# Altium PCB XMS0004.PcbDoc (part 5 of 5)
Units mm, origin at the board's own origin, x right, y up, seen from the top; angles counter-clockwise.
Board outline 160 x 130 mm, 4 copper layers (Layer 1 (Top), Layer 2 (GND), Layer 3 (PWR), Layer 4 (Bottom)), stack 1.564 mm thick; 490 components, 328 nets, 1713 pads, 922 vias.
Unrouted connection lines stored in the file: 5.
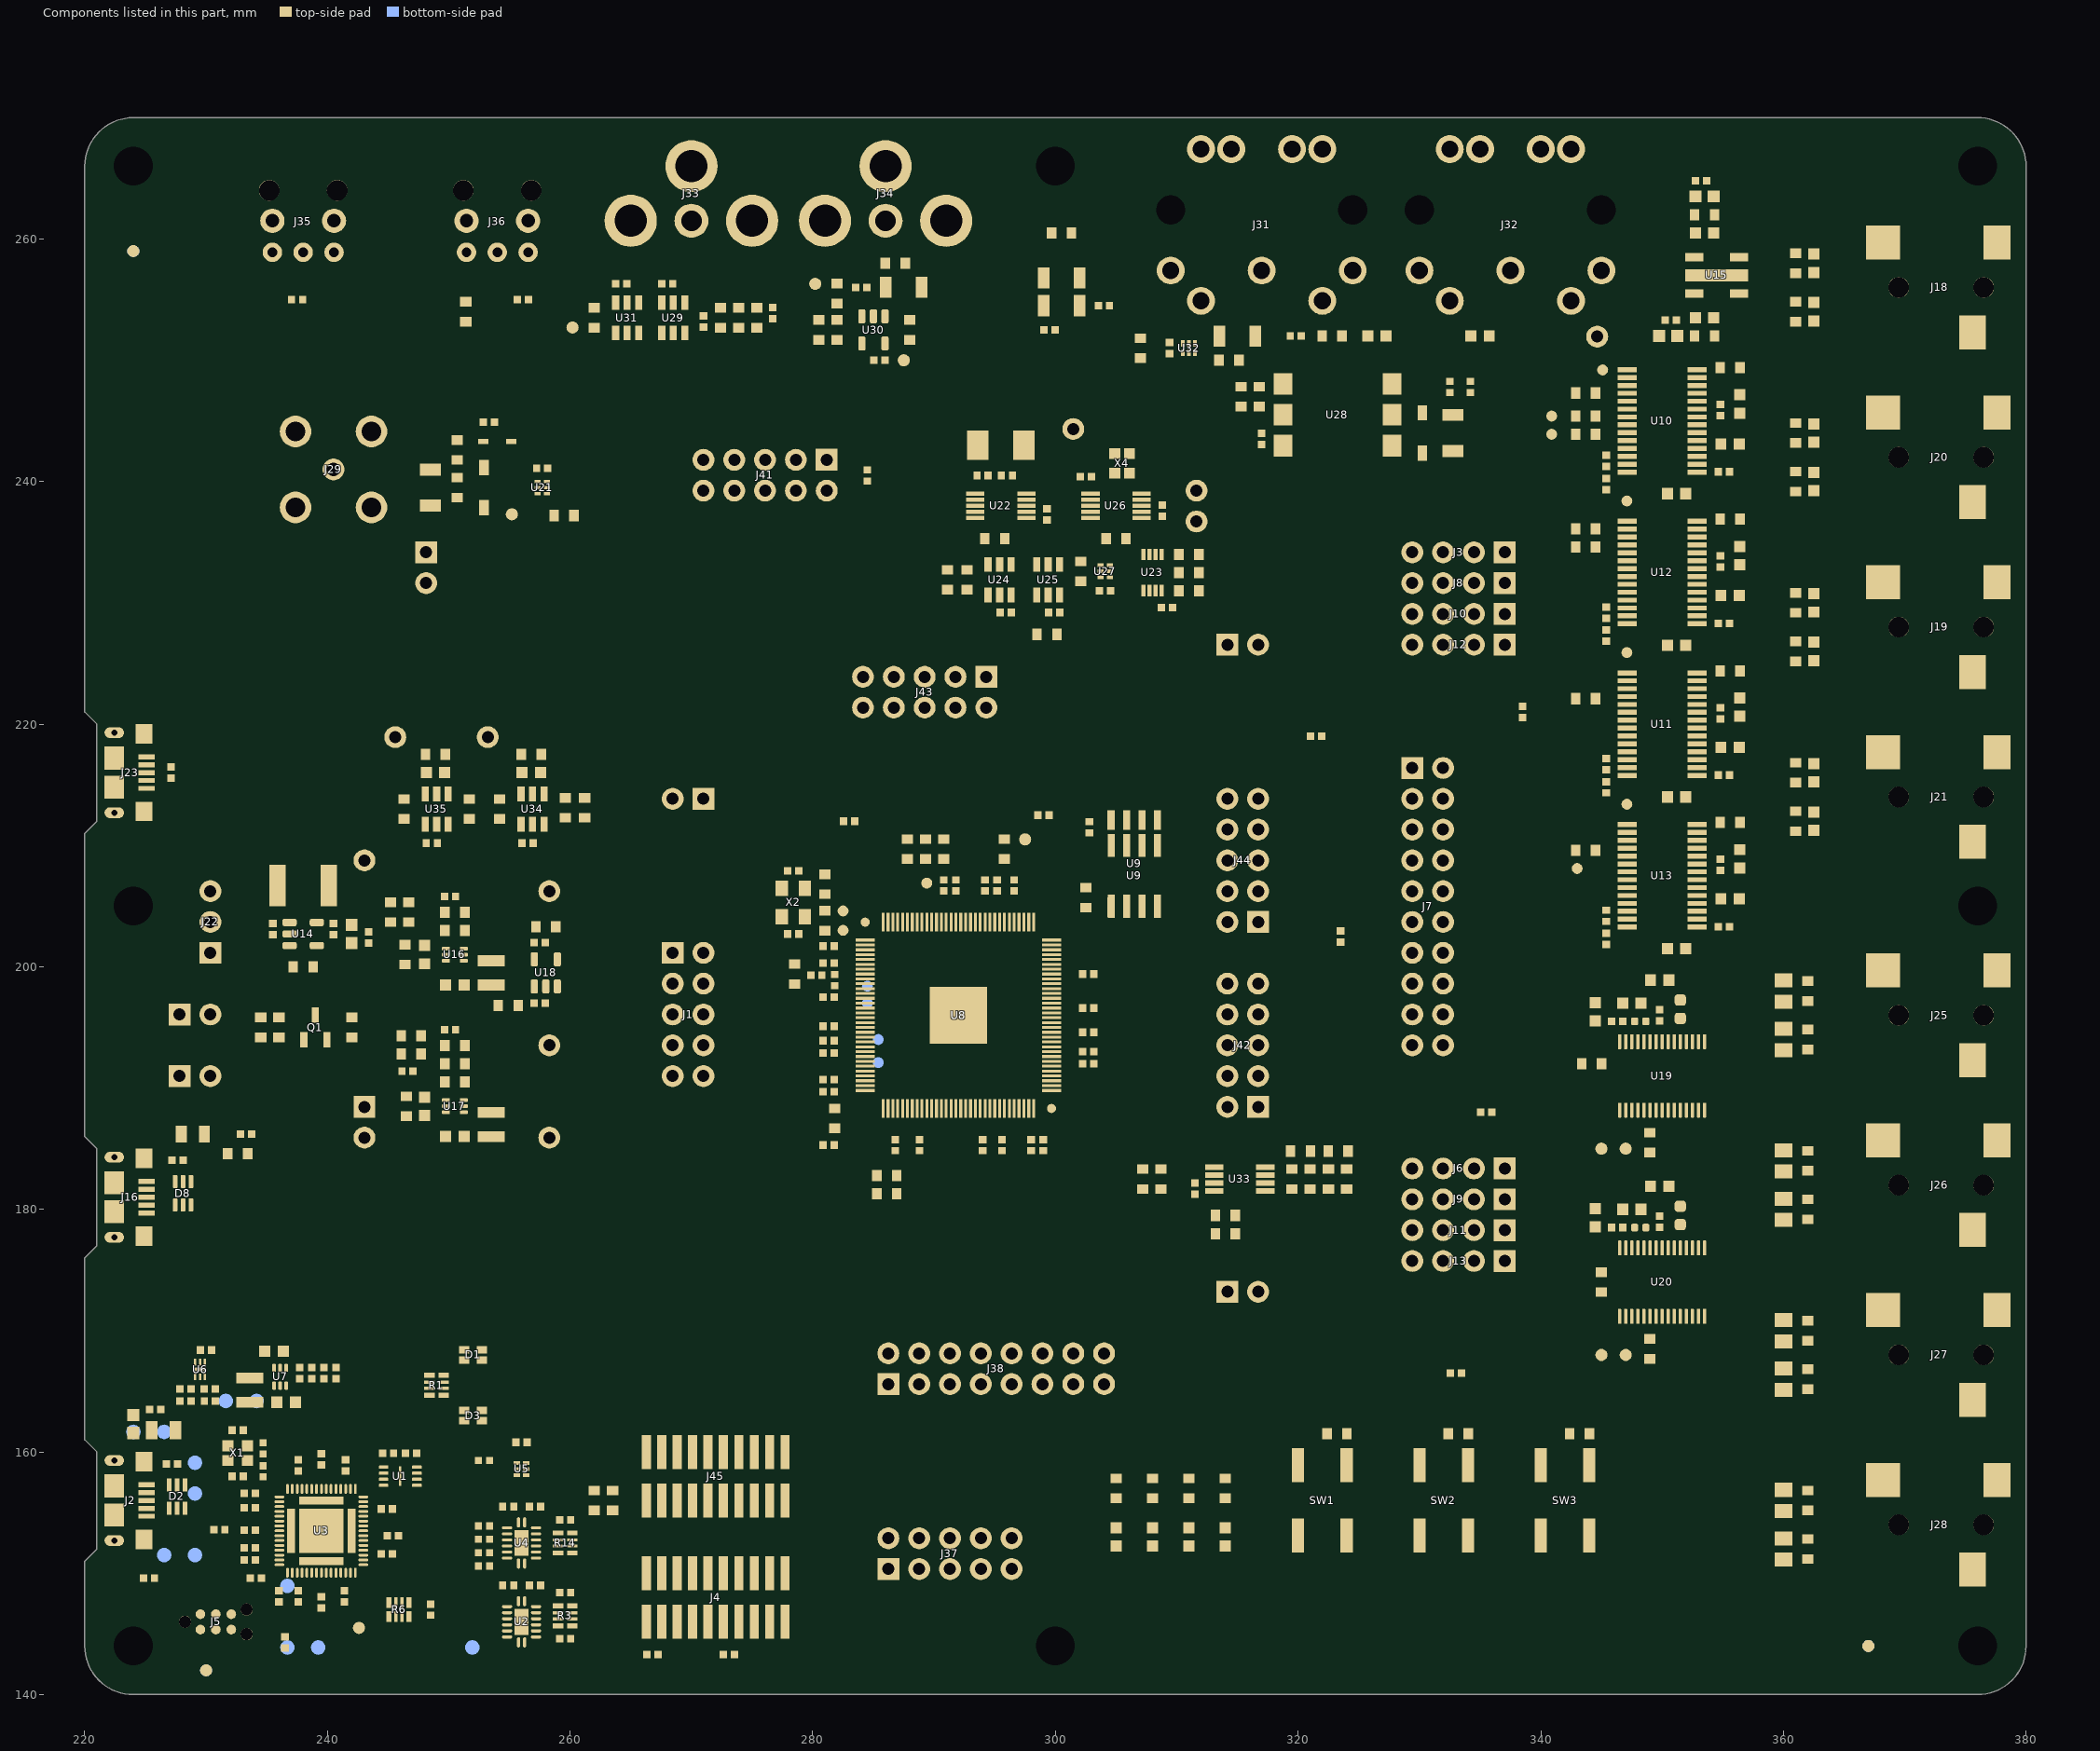
[diagram p7: the components of this part, seen from the top]

## Polygon pours and split planes (outlines as drawn)
GND on Layer 1 (Top) "GND_L01_P010" (solid, pour order 10): 281,208.7 281,201.3 277.7,201.3 275.5,203.5 275.5,207.5 276.7,208.7
GND on Layer 1 (Top) "GND_L01_P009" (solid, remove dead copper, pour order 9): 247.6,195.9 247.6,203.9 252.7,203.9 252.7,195.9
GND on Layer 1 (Top) "GND_L01_P008" (solid, remove dead copper, pour order 8): 247.6,183.4 247.6,191.4 252.7,191.4 252.7,183.4
GND on Layer 1 (Top) "GND_L01_P007" (solid, remove dead copper, pour order 7): 220,210.5 228.5,210.5 228.5,221.5 220,221.5 220,221 221,220 221,212 220,211
GND on Layer 1 (Top) "GND_L01_P006" (solid, remove dead copper, pour order 6): 220,175.5 229,175.5 229,186.5 220,186.5 220,186 221,185 221,177 220,176
GND on Layer 1 (Top) "GND_L01_P004" (solid, remove dead copper, pour order 4): 380,140 341.6,140 341.6,250.6 349,250.6 349,270 380,270
0V9 on Layer 1 (Top) "0V9_L01_P003" (solid, pour order 3): 299.5,193.6 302.6,193.6 302.6,191.6 301,191.6 300.2,192.4 299.5,192.4
GND on Layer 1 (Top) "Top Layer-GND" (solid, remove dead copper, pour order 2): 220,140 220,151 221,152 221,160 220,161 220,171 270.5,171 280,161.5 280,140
5V_SW on Layer 1 (Top) "5V_SW_L01_P013" (solid, pour order 13): 244.6,213.2 248.4,213.2 248.4,217.8 244.6,217.8
3V3 on Layer 1 (Top) "3V3_L01_P011" (solid, pour order 11): 252.5,213.2 256.3,213.2 256.3,217.8 252.5,217.8
GND on Layer 4 (Bottom) "Bottom Layer-GND" (solid, remove dead copper, pour order 0): 220,140 220,151 221,152 221,160 220,161 220,171 270.5,171 280,161.5 280,140
1V8 on Layer 3 (PWR) (split plane): 262.928,204.928 262.961,204.906 263,204.898 282.998,204.898 282.998,201.102 279.4,201.102 279.361,201.094 279.328,201.072 279.306,201.039 279.298,201 279.298,197.8 279.306,197.761 279.328,197.728 279.361,197.706 279.4,197.698 281.798,197.698 281.798,193.4 281.806,193.361 281.828,193.328 281.861,193.306 281.9,193.298 283.298,193.298 283.298,189.642 282.658,189.002 255.002,189.002 255.002,191.698 259.6,191.698 259.639,191.706 259.672,191.728 259.694,191.761 259.702,191.8 259.702,195.4 259.694,195.439 259.672,195.472 255.602,199.542 255.602,205.958 257.042,207.398 260.458,207.398
0V9 on Layer 3 (PWR) (split plane): 300.398,202.458 300.398,198.2 300.406,198.161 300.428,198.128 300.461,198.106 300.5,198.098 301.998,198.098 301.998,195.802 300.9,195.802 300.861,195.794 300.828,195.772 300.806,195.739 300.798,195.7 300.798,194 300.806,193.961 300.828,193.928 300.861,193.906 300.9,193.898 301.998,193.898 301.998,192.1 301.998,188.442 299.558,186.002 296.902,186.002 296.902,187.1 296.894,187.139 296.872,187.172 296.839,187.194 296.8,187.202 294.8,187.202 294.761,187.194 294.728,187.172 294.706,187.139 294.698,187.1 294.698,186.002 291.302,186.002 291.302,187.1 291.294,187.139 291.272,187.172 291.239,187.194 291.2,187.202 288.4,187.202 288.361,187.194 288.328,187.172 287.728,186.572 287.706,186.539 287.698,186.5 287.698,183.102 250.402,183.102 250.402,185.758 253.442,188.798 282.7,188.798 282.739,188.806 282.772,188.828 283.472,189.528 283.494,189.561 283.502,189.6 283.502,193.4 283.494,193.439 283.472,193.472 283.439,193.494 283.4,193.502 282.002,193.502 282.002,197.8 281.994,197.839 281.972,197.872 281.939,197.894 281.9,197.902 279.502,197.902 279.502,200.898 283.1,200.898 283.139,200.906 283.172,200.928 283.194,200.961 283.202,201 283.202,204.898 285.8,204.898 285.839,204.906 285.872,204.928 286.942,205.998 291.198,205.998 291.198,204.9 291.206,204.861 291.228,204.828 291.261,204.806 291.3,204.798 293.6,204.798 293.639,204.806 293.672,204.828 293.694,204.861 293.702,204.9 293.702,205.998 294.598,205.998 294.598,204.9 294.606,204.861 294.628,204.828 294.661,204.806 294.7,204.798 296,204.798 296.039,204.806 296.072,204.828 296.094,204.861 296.102,204.9 296.102,205.998 296.858,205.998
5V on Layer 3 (PWR) (split plane): 249.398,201.5 249.398,198.542 247.928,197.072 247.906,197.039 247.898,197 247.898,189.602 244.102,189.602 244.102,193 244.094,193.039 244.072,193.072 240.602,196.542 240.602,212.398 249.398,212.398
3V3A on Layer 3 (PWR) (split plane): 358.398,246.5 358.398,201.5 358.398,180.602 353.602,180.602 353.602,192.5 353.602,206.5 353.602,247 353.594,247.039 353.572,247.072 350.602,250.042 350.602,251.398 358.398,251.398
3V3X on Layer 3 (PWR) (split plane): 303.398,212.458 303.398,205.5 303.406,205.461 303.428,205.428 303.461,205.406 303.5,205.398 317.998,205.398 317.998,202.102 311.5,202.102 311.461,202.094 311.428,202.072 310.428,201.072 306.428,197.072 306.406,197.039 306.398,197 306.398,178.602 292.342,178.602 287.902,183.042 287.902,186.458 288.442,186.998 291.098,186.998 291.098,185.9 291.106,185.861 291.128,185.828 291.161,185.806 291.2,185.798 294.8,185.798 294.839,185.806 294.872,185.828 294.894,185.861 294.902,185.9 294.902,186.998 296.698,186.998 296.698,185.9 296.706,185.861 296.728,185.828 296.761,185.806 296.8,185.798 299.6,185.798 299.639,185.806 299.672,185.828 302.172,188.328 302.194,188.361 302.202,188.4 302.202,192.1 302.202,194 302.194,194.039 302.172,194.072 302.139,194.094 302.1,194.102 301.002,194.102 301.002,195.598 302.1,195.598 302.139,195.606 302.172,195.628 302.194,195.661 302.202,195.7 302.202,198.2 302.194,198.239 302.172,198.272 302.139,198.294 302.1,198.302 300.602,198.302 300.602,202.5 300.594,202.539 300.572,202.572 296.972,206.172 296.939,206.194 296.9,206.202 296,206.202 295.961,206.194 295.928,206.172 295.906,206.139 295.898,206.1 295.898,205.002 294.802,205.002 294.802,206.1 294.794,206.139 294.772,206.172 294.739,206.194 294.7,206.202 293.6,206.202 293.561,206.194 293.528,206.172 293.506,206.139 293.498,206.1 293.498,205.002 291.402,205.002 291.402,206.1 291.394,206.139 291.372,206.172 291.339,206.194 291.3,206.202 286.9,206.202 286.861,206.194 286.828,206.172 285.758,205.102 263.042,205.102 260.572,207.572 260.539,207.594 260.5,207.602 257,207.602 256.961,207.594 256.928,207.572 255.428,206.072 255.406,206.039 255.398,206 255.398,199.5 255.406,199.461 255.428,199.428 259.498,195.358 259.498,191.902 254.942,191.902 251.672,195.172 251.639,195.194 251.6,195.202 248.102,195.202 248.102,196.958 249.572,198.428 249.594,198.461 249.602,198.5 249.602,201.5 249.602,212.398 256.458,212.398 258.428,210.428 258.461,210.406 258.5,210.398 299,210.398 299.039,210.406 299.072,210.428 301.542,212.898 302.958,212.898
0V9_DBG on Layer 3 (PWR) (split plane): 238.798,158 238.806,157.961 238.828,157.928 239.328,157.428 239.361,157.406 239.4,157.398 240.758,157.398 242.698,155.458 242.698,151.842 241.158,150.302 237.842,150.302 236.272,151.872 235.372,152.772 235.339,152.794 235.3,152.802 234.2,152.802 234.161,152.794 234.128,152.772 233.758,152.402 230.102,152.402 230.102,153.398 233.3,153.398 233.339,153.406 233.372,153.428 235.472,155.528 235.494,155.561 235.502,155.6 235.502,157 235.494,157.039 235.472,157.072 234.502,158.042 234.502,163.698 238.798,163.698
5V_SW on Layer 3 (PWR) (split plane): 298.392,268.998 298.107,268.833 297.753,268.562 297.438,268.247 297.167,267.893 296.944,267.507 296.774,267.095 296.658,266.665 296.6,266.223 296.6,266 296.6,265.777 296.658,265.335 296.774,264.905 296.944,264.493 297.167,264.107 297.438,263.753 297.753,263.438 298.107,263.167 298.493,262.944 298.905,262.774 299.335,262.658 299.777,262.6 300.223,262.6 300.665,262.658 301.095,262.774 301.507,262.944 301.893,263.167 302.247,263.438 302.562,263.753 302.833,264.107 303.056,264.493 303.226,264.905 303.342,265.335 303.4,265.777 303.4,266 303.4,266.223 303.342,266.665 303.226,267.095 303.056,267.507 302.833,267.893 302.562,268.247 302.247,268.562 301.893,268.833 301.608,268.998 352.898,268.998 352.898,262.102 348.042,262.102 347.072,263.072 347.039,263.094 347,263.102 307,263.102 306.961,263.094 306.928,263.072 302.958,259.102 296.042,259.102 293.572,261.572 293.539,261.594 293.5,261.602 230.5,261.602 230.461,261.594 230.428,261.572 225.928,257.072 225.906,257.039 225.898,257 225.898,241.5 225.906,241.461 225.928,241.428 249.398,217.958 249.398,212.602 240.542,212.602 229.925,223.219 229.892,223.241 229.853,223.249 221.002,223.249 221.002,264.392 221.167,264.107 221.438,263.753 221.753,263.438 222.107,263.167 222.493,262.944 222.905,262.774 223.335,262.658 223.777,262.6 224.223,262.6 224.665,262.658 225.095,262.774 225.507,262.944 225.893,263.167 226.247,263.438 226.562,263.753 226.833,264.107 227.056,264.493 227.226,264.905 227.342,265.335 227.4,265.777 227.4,266 227.4,266.223 227.342,266.665 227.226,267.095 227.056,267.507 226.833,267.893 226.562,268.247 226.247,268.562 225.893,268.833 225.608,268.998
3V3_DBG on Layer 3 (PWR) (split plane): 253.798,166.202 231.9,166.202 231.861,166.194 231.828,166.172 229.278,163.622 229.256,163.589 229.248,163.55 229.248,162.002 228.202,162.002 228.202,165.258 230.342,167.398 234.7,167.398 234.739,167.406 234.772,167.428 234.794,167.461 234.802,167.5 234.802,170.898 253.798,170.898
5V_DBG on Layer 3 (PWR) (split plane): 234.598,167.602 230.3,167.602 230.261,167.594 230.228,167.572 228.028,165.372 228.006,165.339 227.998,165.3 227.998,162.002 221.002,162.002 221.002,170.898 234.598,170.898
GND on Layer 3 (PWR) (split plane): 330 vertices, not listed, extent 221.002,141.002 378.998,268.998
3V3 on Layer 3 (PWR) (split plane): 347.928,261.928 347.961,261.906 348,261.898 350.398,261.898 350.398,251.5 350.398,250 350.406,249.961 350.428,249.928 353.398,246.958 353.398,206.5 353.398,192.5 353.398,180.5 353.398,169.042 344.458,160.102 308.5,160.102 308.461,160.094 308.428,160.072 296.958,148.602 284.602,148.602 284.602,170.658 292.342,178.398 306.5,178.398 306.539,178.406 306.572,178.428 306.594,178.461 306.602,178.5 306.602,196.958 310.572,200.928 311.542,201.898 318.1,201.898 318.139,201.906 318.172,201.928 318.194,201.961 318.202,202 318.202,205.5 318.194,205.539 318.172,205.572 318.139,205.594 318.1,205.602 303.602,205.602 303.602,212.5 303.594,212.539 303.572,212.572 303.072,213.072 303.039,213.094 303,213.102 301.5,213.102 301.461,213.094 301.428,213.072 298.958,210.602 258.542,210.602 256.572,212.572 256.539,212.594 256.5,212.602 249.602,212.602 249.602,218 249.594,218.039 249.572,218.072 226.102,241.542 226.102,256.958 230.542,261.398 293.458,261.398 295.928,258.928 295.961,258.906 296,258.898 303,258.898 303.039,258.906 303.072,258.928 307.042,262.898 346.958,262.898
1V8_DBG on Layer 3 (PWR) (split plane): 248.398,162 248.406,161.961 248.428,161.928 248.461,161.906 248.5,161.898 257.698,161.898 257.698,156.8 257.698,155.4 257.698,141.002 225.608,141.002 225.893,141.167 226.247,141.438 226.562,141.753 226.833,142.107 227.056,142.493 227.226,142.905 227.342,143.335 227.4,143.777 227.4,144 227.4,144.223 227.342,144.665 227.226,145.095 227.056,145.507 226.833,145.893 226.562,146.247 226.247,146.562 225.893,146.833 225.507,147.056 225.095,147.226 224.665,147.342 224.223,147.4 223.777,147.4 223.335,147.342 222.905,147.226 222.493,147.056 222.107,146.833 221.753,146.562 221.438,146.247 221.167,145.893 221.002,145.608 221.002,150.585 221.709,151.291 221.795,151.39 221.868,151.499 221.926,151.616 221.968,151.741 221.994,151.869 222.002,152 222.002,160 221.994,160.131 221.968,160.259 221.926,160.384 221.868,160.501 221.795,160.61 221.709,160.709 221.002,161.415 221.002,161.798 229.35,161.798 229.389,161.806 229.422,161.828 229.444,161.861 229.452,161.9 229.452,163.508 231.942,165.998 248.398,165.998
GND on Layer 2 (GND) (split plane): 358 vertices, not listed, extent 221.002,141.002 378.998,268.998

## Keep-outs
Keep-Out Layer:
  the board outline again, w0.1

## Other copper
Layer 1 (Top):
  rectangle net 3V3: 347.2,251.1 348.9,252.8
  rectangle net 3V3A: 350.8,250.3 353.4,251.1
  rectangle net 5V_SW: 350.1,262.6 351.8,264.3
  rectangle net 5V: 245.4,190 247.2,190.8
  rectangle net 5V: 241.1,199.4 242.8,201.1
  rectangle net USB_VBUS: 230.5,185.4 232.2,187.1
  rectangle net GND: 288.8,192.8 295.2,199.2
  rectangle net 3V3_DBG: 228.4,162 229.2,163.7
  rectangle net 1V8_DBG: 229.5,162 230.3,163.7
  rectangle net 5V_DBG: 223.3,164 225.9,164.8
  region net 5V: 248.4,212.8 244.6,212.8 244.6,209.5 248.4,209.5
  pour cut-out: 296,266 ccw(c300,266) 300,262 ccw(c300,266) 304,266 ccw(c300,266) 300,270 ccw(c300,266)
  pour cut-out: 220,205 ccw(c224,205) 224,201 ccw(c224,205) 228,205 ccw(c224,205) 224,209 ccw(c224,205)
  pour cut-out: 296,144 ccw(c300,144) 300,140 ccw(c300,144) 304,144 ccw(c300,144) 300,148 ccw(c300,144)
  pour cut-out: 372,205 ccw(c376,205) 376,201 ccw(c376,205) 380,205 ccw(c376,205) 376,209 ccw(c376,205)
  pour cut-out: 372,144 ccw(c376,144) 376,140 ccw(c376,144) 380,144 ccw(c376,144) 376,148 ccw(c376,144)
  pour cut-out: 372,266 ccw(c376,266) 376,262 ccw(c376,266) 380,266 ccw(c376,266) 376,270 ccw(c376,266)
  pour cut-out: 220,266 ccw(c224,266) 224,262 ccw(c224,266) 228,266 ccw(c224,266) 224,270 ccw(c224,266)
  pour cut-out: 220,144 ccw(c224,144) 224,140 ccw(c224,144) 228,144 ccw(c224,144) 224,148 ccw(c224,144)
  pour cut-out: 354.8,146.2 354.8,142.8 363.2,142.8 363.2,146.2
  region net 3V3X: 256.3,212.8 252.5,212.8 252.5,209.5 256.3,209.5
  region net NetC109_1: 250,200.6 247.2,200.6 247.2,199.6 248.9,199.6 249.6,200.3 250,200.3
  region net 3V3X: 254.9,199.3 254.9,197.8 253.6,197.8 253.3,197.5 253.3,195.9 250.7,195.9 250.7,199.3
  region net NetL2_1: 251,200.6 252.1,200.6 252.6,201.1 254.9,201.1 254.9,199.7 251,199.7
  region net 0V9: 254.9,186.8 254.9,185.3 253.6,185.3 253.3,185 253.3,183.4 250.7,183.4 250.7,186.8
  region net NetL3_1: 251,188.1 251.9,188.1 252.4,188.6 254.9,188.6 254.9,187.2 251,187.2
  region net NetC115_1: 250,188.1 247.6,188.1 247.6,186.9 248.7,186.9 249.5,187.7 250,187.7
  pour cut-out: 230,147.2 230,146.3 229.9,146.2 228.8,146.2 228.8,145.8 230.4,145.8 230.4,147.2
  region net 5V_DBG: 235.7,166.5 235.7,167.5 235.5,167.7 235.5,169 232.5,169 232.5,167.9 234,167.9 235.4,166.5
  region net NetL1_1: 235.7,165.8 235.5,165.8 234.6,166.7 232.3,166.7 232.3,165.2 235.7,165.2
  region net 0V9_DBG: 236.6,161.8 236.6,164.8 232.3,164.8 232.3,163.6 234.6,163.6 234.9,163.3 234.9,162.1 235.2,161.8
  text "1" at 355.4,143.7 h2.5
  text "LAYER 1 (TOP)" at 220,127 h1.5
Layer 4 (Bottom):
  rectangle net USB_VBUS: 230.5,185.4 232.2,187.1
  rectangle net 3V3_DBG: 228.4,162 229.2,163.7
  pour cut-out: 296,266 ccw(c300,266) 300,262 ccw(c300,266) 304,266 ccw(c300,266) 300,270 ccw(c300,266)
  pour cut-out: 220,205 ccw(c224,205) 224,201 ccw(c224,205) 228,205 ccw(c224,205) 224,209 ccw(c224,205)
  pour cut-out: 296,144 ccw(c300,144) 300,140 ccw(c300,144) 304,144 ccw(c300,144) 300,148 ccw(c300,144)
  pour cut-out: 372,205 ccw(c376,205) 376,201 ccw(c376,205) 380,205 ccw(c376,205) 376,209 ccw(c376,205)
  pour cut-out: 220,266 ccw(c224,266) 224,262 ccw(c224,266) 228,266 ccw(c224,266) 224,270 ccw(c224,266)
  pour cut-out: 372,266 ccw(c376,266) 376,262 ccw(c376,266) 380,266 ccw(c376,266) 376,270 ccw(c376,266)
  pour cut-out: 372,144 ccw(c376,144) 376,140 ccw(c376,144) 380,144 ccw(c376,144) 376,148 ccw(c376,144)
  pour cut-out: 220,144 ccw(c224,144) 224,140 ccw(c224,144) 228,144 ccw(c224,144) 224,148 ccw(c224,144)
  text "4" at 362.489,143.629 h2.5
  text "LAYER 4 (BOTTOM)" at 220,127 h1.5
Layer 2 (GND) (plane layer: these items are gaps in the copper):
  rectangle: 359,143 363,146
  rectangle: 355,143 357,146
  region: 220.6,205 ccw(c224,205) 224,201.6 ccw(c224,205) 227.4,205 ccw(c224,205) 224,208.4 ccw(c224,205)
  region: 220.6,266 ccw(c224,266) 224,262.6 ccw(c224,266) 227.4,266 ccw(c224,266) 224,269.4 ccw(c224,266)
  region: 296.6,266 ccw(c300,266) 300,262.6 ccw(c300,266) 303.4,266 ccw(c300,266) 300,269.4 ccw(c300,266)
  region: 372.6,266 ccw(c376,266) 376,262.6 ccw(c376,266) 379.4,266 ccw(c376,266) 376,269.4 ccw(c376,266)
  region: 372.6,205 ccw(c376,205) 376,201.6 ccw(c376,205) 379.4,205 ccw(c376,205) 376,208.4 ccw(c376,205)
  region: 372.6,144 ccw(c376,144) 376,140.6 ccw(c376,144) 379.4,144 ccw(c376,144) 376,147.4 ccw(c376,144)
  region: 296.6,144 ccw(c300,144) 300,140.6 ccw(c300,144) 303.4,144 ccw(c300,144) 300,147.4 ccw(c300,144)
  region: 220.6,144 ccw(c224,144) 224,140.6 ccw(c224,144) 227.4,144 ccw(c224,144) 224,147.4 ccw(c224,144)
  text "2" at 357,143 h2.5
  text "LAYER 2 (GND)" at 220,127 h1.5
Layer 3 (PWR) (plane layer: these items are gaps in the copper):
  circle w0.5: c252.3,204.5 r0.25
  rectangle: 361,143 363,146
  rectangle: 355,143 359,146
  region: 220.6,205 ccw(c224,205) 224,201.6 ccw(c224,205) 227.4,205 ccw(c224,205) 224,208.4 ccw(c224,205)
  region: 220.6,266 ccw(c224,266) 224,262.6 ccw(c224,266) 227.4,266 ccw(c224,266) 224,269.4 ccw(c224,266)
  region: 296.6,266 ccw(c300,266) 300,262.6 ccw(c300,266) 303.4,266 ccw(c300,266) 300,269.4 ccw(c300,266)
  region: 372.6,266 ccw(c376,266) 376,262.6 ccw(c376,266) 379.4,266 ccw(c376,266) 376,269.4 ccw(c376,266)
  region: 372.6,205 ccw(c376,205) 376,201.6 ccw(c376,205) 379.4,205 ccw(c376,205) 376,208.4 ccw(c376,205)
  region: 372.6,144 ccw(c376,144) 376,140.6 ccw(c376,144) 379.4,144 ccw(c376,144) 376,147.4 ccw(c376,144)
  region: 220.6,144 ccw(c224,144) 224,140.6 ccw(c224,144) 227.4,144 ccw(c224,144) 224,147.4 ccw(c224,144)
  region: 296.6,144 ccw(c300,144) 300,140.6 ccw(c300,144) 303.4,144 ccw(c300,144) 300,147.4 ccw(c300,144)
  lines w0.2: 220,161.9 228.1,161.9 ; 220,171 234.7,171 ; 220,223.147 229.853,223.147 240.5,212.5 ; 248,195.1 251.6,195.1 254.9,191.8 ; 248.5,166.1 248.5,162 257.8,162 257.8,156.8 257.8,155.4 257.8,140 257.804,140 ; 254.9,188.9 254.9,191.8 ; 255,188.9 259.6,188.9 ; 280.8,183 284.4,183 ; 350.5,262 350.5,251.5 ; 353.003,270 353,269.997 353,262 348,262 347,263 307,263 303,259 296,259 293.5,261.5 249.25,261.5 230.5,261.5 226,257 226,241.5 249.5,218 249.5,212.5 249.5,201.5 249.5,198.5 248,197 248,189.5 244,189.5 244,193 240.5,196.5 240.5,212.5 ; 228.1,161.9 229.35,161.9 229.35,163.55 231.9,166.1 253.9,166.1 253.9,171 234.7,171 ; 228.1,161.9 228.1,165.3 230.3,167.5 234.7,167.5 234.7,171 ; 240.5,212.5 256.5,212.5 258.5,210.5 299,210.5 301.5,213 303,213 303.5,212.5 303.5,205.5 310.5,205.5 318.1,205.5 318.1,202 311.5,202 310.5,201 306.5,197 306.5,178.5 ; 254.9,191.8 259.6,191.8 259.6,195.4 255.5,199.5 255.5,206 257,207.5 260.5,207.5 263,205 283.1,205 ; 283.1,205 285.8,205 286.9,206.1 291.3,206.1 291.3,204.9 293.6,204.9 293.6,206.1 294.7,206.1 294.7,204.9 296,204.9 296,206.1 296.9,206.1 300.5,202.5 300.5,198.2 302.1,198.2 302.1,195.7 300.9,195.7 300.9,194 302.1,194 302.1,192.1 302.1,188.4 299.6,185.9 296.8,185.9 296.8,187.1 294.8,187.1 294.8,185.9 292.9,185.9 291.2,185.9 291.2,187.1 288.4,187.1 287.8,186.5 287.8,183 ; 283.1,205 283.1,201 279.4,201 279.4,197.8 281.9,197.8 281.9,193.4 283.4,193.4 283.4,189.6 282.7,188.9 253.4,188.9 250.3,185.8 250.3,183 287.8,183 ; 287.8,183 292.3,178.5 ; 292.3,178.5 284.5,170.7 284.5,148.5 297,148.5 308.5,160 344.5,160 353.5,169 353.5,180.5 ; 292.3,178.5 306.5,178.5 ; 306.5,178.5 306.5,178.5 ; 350.5,251.5 358.5,251.5 358.5,246.5 358.5,201.5 358.5,180.5 353.5,180.5 ; 350.5,251.5 350.5,250 353.5,247 353.5,206.5 353.5,192.5 353.5,180.5 ; 230,152.3 230,153.5 233.3,153.5 235.4,155.6 235.4,157 234.4,158 234.4,163.8 238.9,163.8 238.9,158 239.4,157.5 240.8,157.5 242.8,155.5 242.8,151.8 241.2,150.2 237.8,150.2 236.2,151.8 235.3,152.7 234.2,152.7 233.8,152.3 230,152.3
  text "3" at 361,143 h2.5
  text "LAYER 3 (PWR)" at 220,127 h1.5

## Silkscreen, mask and mechanical layers (free items; w line width, h text height)
Top Overlay:
  region: 337.5,236.9 337,235.9 336.5,236.9
  region: 337.5,186.1 337,185.1 336.5,186.1
  lines w0.2: 220.5,171.5 271,171.5 280.5,162 280.5,140.5 ; 224,230 224,248 230,248 230,230 224,230 ; 259,217 280,217 280,230 259,230 259,217
  text "OUT 1/2" at 364,262 h1.5
  text "MIDI IN" at 350,260.5 h1.5 r90
  text "OPT TX" at 232,260 h1.5 r90
  text "OPT RX" at 248,260 h1.5 r90
  text "COAX TX" at 262,259.5 h1.5 r90
  text "COAX RX" at 295.5,259.5 h1.5 r90
  text "MIDI OUT" at 306,258 h1.5 r90
  text "W" at 226,251.5 h7
  text "3V3A" at 338.9,250.7 h1.2
  text "OUT 3/4" at 364,248 h1.5
  text "WORD CLK IN" at 233.5,247.5 h1.5
  text "MIDI_TX" at 271.433,243.55 h1 r90
  text "MCLK_DIG" at 273.933,243.55 h1 r90
  text "OPT_TX" at 279.133,243.55 h1 r90
  text "3V3" at 281.7,243.55 h1 r90
  text "COAX_TX" at 276.533,243.45 h1 r90
  text "DAC I2S/TDM / CONFIG" at 327.6,235.9 h1.2
  text "GND" at 274.04,234.998 h1 r90
  text "GND" at 281.66,234.998 h1 r90
  text "OUT 5/6" at 364,234 h1.5
  text "0" at 339.05,233.7 h1
  text "MIDI_RX" at 271.433,232.746 h1 r90
  text "OPT_RX" at 279.033,232.432 h1 r90
  text "WORD CLK / TERM ENABLE" at 250,231.35 h1.2
  text "COAX_RX" at 276.533,231.228 h1 r90
  text "1" at 339.05,231.16 h1
  text "S/N LABEL" at 230,230 h1.2 r90
  text "2" at 339.05,228.62 h1
  text "®" at 247,228 h1.2
  text "DATA LINE" at 341.5,226.2 h1.2 r90
  text "3" at 339.05,226.08 h1
  text "SUSPEND_N" at 289.633,225.65 h1 r90
  text "GND" at 287.2,225.598 h1 r90
  text "X0D40" at 284.6,225.522 h1 r90
  text "VBUS / DETECT" at 293.064,225.469 h0.8 r90
  text "X0D34" at 294.7,225.45 h1 r90
  text "X" at 235,225 h5
  text "MOS" at 238.1,225 h5
  text "GND" at 314.06,223.624 h1.2
  text "I2S : 2-3" at 329.3,223.4 h1.2
  text "XMS0004" at 235,223 h1.2
  text "EXTERNAL / POWER" at 221,221.41 h1.5
  text "1V1" at 235,221 h1.2
  text "3V3" at 251.7,220.7 h1.2
  text "OUT 7/8" at 364,220 h1.5
  text "GND" at 292.314,217.083 h1 r90
  text "PROD / LABEL" at 259,217 h1.2
  text "QSPI" at 313.6,216.9 h1.2
  text "GND" at 333.65,215.98 h1
  text "MCLK" at 324.243,215.86 h1
  text "5V_SW" at 243.4,215.1 h1.2 r90
  text "WCLK_IN" at 284.633,214.15 h1 r90
  text "MCLK_DIR" at 289.6,214.04 h0.9 r90
  text "CS_N" at 318.45,213.467 h1
  text "D1" at 333.65,213.44 h1
  text "NC" at 310.736,213.32 h1
  text "D0" at 326.076,213.32 h1
  text "PLL_SYNC" at 294.733,213.15 h1 r90
  text "EXT_PLL_SEL" at 287.1,211.94 h0.9 r90
  text "DAC" at 336.7,211.476 h1 r90
  text "DAC" at 325.6,211.211 h1 r90
  text "CLK" at 318.41,210.9 h1
  text "D3" at 333.65,210.9 h1
  text "GND" at 268.2,210.8 h1.2
  text "GND" at 309.841,210.78 h1
  text "D2" at 326.076,210.78 h1
  text "5V" at 239.4,209.2 h1.2
  text "D2" at 318.41,208.36 h1
  text "GND" at 333.65,208.36 h1
  text "D3" at 310.836,208.24 h1
  text "3V3" at 325.186,208.24 h1
  text "PWR / SRC" at 232,206 h1.2 r90
  text "DAC_MUTE_N" at 333.65,205.867 h1
  text "D0" at 318.41,205.82 h1
  text "1V8" at 260.1,205.7 h1.2
  text "D1" at 311.264,205.7 h1
  text "BCLK" at 324.4,205.7 h1
  text "EXT" at 233.1,204.6 h1 r90
  text "ADC_GPIO" at 333.65,203.347 h1
  text "3V3X" at 318.41,203.28 h1
  text "LRCK" at 324.417,203.2 h1
  text "GND" at 309.841,203.16 h1
  text "IN 1/2" at 364,202 h1.5
  text "SCL" at 325.193,200.8 h1
  text "GND" at 333.65,200.74 h1
  text "GND" at 272.6,200.7 h1
  text "1V8" at 264.4,200.6 h1
  text "BUS" at 233.1,200.3 h1 r90
  text "I2C0" at 323.589,199.4 h1
  text "X0D12" at 262.8,198.2 h1
  text "X1D32" at 318.41,198.2 h1
  text "D3" at 333.65,198.2 h1
  text "X0D13" at 272.6,198.1 h1
  text "X1D33" at 308.322,198.08 h1
  text "SDA" at 325.008,197.9 h1
  text "ADC" at 336.7,196.131 h1 r90
  text "X0D23" at 272.6,195.66 h1
  text "GND" at 318.41,195.66 h1
  text "D1" at 333.65,195.66 h1
  text "X0D22" at 262.6,195.6 h1
  text "X1D31" at 308.751,195.54 h1
  text "D2" at 326.076,195.54 h1
  text "VBUS / DET" at 219.6,194.5 h1.2
  text "ADC" at 325.5,193.491 h1 r90
  text "X1D12" at 262.8,193.12 h1
  text "X1D29" at 318.41,193.12 h1
  text "GND" at 333.65,193.1 h1
  text "GND" at 272.6,193.06 h1
  text "X1D30" at 308.322,193 h1
  text "D0" at 326.076,193 h1
  text "3V3X" at 261.3,191.5 h1.2 r90
  text "X1D23" at 262.8,190.58 h1
  text "X1D28" at 318.41,190.58 h1
  text "NC" at 272.7,190.5 h1
  text "GND" at 309.841,190.46 h1
  text "VBUS / I-SNS" at 219.5,189.4 h1.2
  text "X1D26" at 318.41,188.04 h1
  text "IN 3/4" at 364,188 h1.5
  text "X1D27" at 308.322,187.92 h1
  text "0V9" at 260,185.3 h1.2
  text "0" at 339.05,182.9 h1
  text "0V9 / I-SNS" at 239,180.7 h1.2
  text "1" at 339.05,180.36 h1
  text "2" at 339.05,177.82 h1
  text "DATA LINE" at 341.5,175.4 h1.2 r90
  text "3" at 339.05,175.28 h1
  text "IN 5/6" at 364,174 h1.5
  text "USB DEVICE" at 221,172.91 h1.5
  text "I2S : 2-3" at 329.4,172.6 h1.2
  text "GND" at 313.9,170.3 h1.2
  text "X1D49" at 286.7,169.886 h1 r90
  text "GND" at 289.24,169.886 h1 r90
  text "X1D52" at 291.78,169.886 h1 r90
  text "GND" at 294.32,169.886 h1 r90
  text "X1D54" at 296.86,169.886 h1 r90
  text "X1D56" at 299.4,169.886 h1 r90
  text "X1D57" at 301.94,169.886 h1 r90
  text "GND" at 304.48,169.886 h1 r90
  text "ADC I2S/TDM / CONFIG" at 327.7,168.1 h1.2
  text "POWER" at 253.9,167.2 h1.5
  text "STATUS" at 253.9,162.2 h1.5
  text "DEBUG" at 265.89,162.1 h1.5 r90
  text "GND" at 286.72,161.398 h1 r90
  text "GND" at 296.88,161.398 h1 r90
  text "GND" at 301.96,161.398 h1 r90
  text "DEBUG" at 223.79,161.1 h1.5 r90
  text "TEST ONLY" at 268.5,160.41 h1
  text "X1D51" at 291.8,160.308 h1 r90
  text "IN 7/8" at 364,160 h1.5
  text "X1D50" at 289.26,159.879 h1 r90
  text "X1D53" at 294.34,159.879 h1 r90
  text "X1D55" at 299.42,159.879 h1 r90
  text "X1D58" at 304.5,159.879 h1 r90
  text "GND" at 286.7,154.646 h1 r90
  text "X1D20" at 289.24,154.646 h1 r90
  text "X1D43" at 291.78,154.646 h1 r90
  text "GND" at 294.32,154.646 h1 r90
  text "X0D25" at 296.86,154.646 h1 r90
  text "2" at 341.5,149.65 h1.5
  text "0" at 321.5,149.55 h1.5
  text "1" at 331.743,149.55 h1.5
  text "3" at 304.5,148.75 h1.5
  text "2" at 307.5,148.75 h1.5
  text "1" at 310.821,148.75 h1.5
  text "0" at 313.5,148.75 h1.5
  text "NC" at 294.34,147.053 h1 r90
  text "3V3" at 286.72,146.263 h1 r90
  text "X1D21" at 291.8,145.068 h1 r90
  text "X1D15" at 289.26,144.797 h1 r90
  text "X0D24" at 296.2,144.475 h1 r90
  text "XSYS2 DEBUG" at 266.4,141.1 h1.2
  text "TOP SILKSCREEN" at 220,127 h1.5
Bottom Overlay:
  text "BOTTOM SILKSCREEN" at 220,127 h1.5
Top Paste:
  text "TOP PASTE MASK" at 220,127 h1.5
Bottom Paste:
  text "BOTTOM PASTE MASK" at 220,127 h1.5
Top Solder:
  rectangle: 355,143 363,146
  text "TOP SOLDER MASK" at 220,127 h1.5
Bottom Solder:
  rectangle: 355,143 363,146
  text "BOTTOM SOLDER MASK" at 220,127 h1.5
Profile:
  lines w0.1: 220,176 220,176 ; 220,176 220,161 221,160 221,152 220,151 220,144 ccw(c224,144) 224,140 376,140 ccw(c376,144) 380,144 380,266 ccw(c376,266) 376,270 224,270 ccw(c224,266) 220,266 ; 220,176 221,177 221,185 220,186 220,211 221,212 221,220 220,221 220,266 ; 220,266 220,266 ; 220,266 220,266
  text "PROFILE LAYER" at 220,127 h1.5
Top All Layers:
  text "XMS0004 = 1V1 = 17 AUG 2022" at 220,130 h1.5
Top Assembly:
  lines w0.15: 30,30 430,30 430,307 30,307 30,30 ; 33,33 33,304 427,304 427,33 33,33
  text "PCB ASSEMBLY INSTRUCTIONS" at 50,140 h1.5
  text "1.) SOLDERPASTE - ROHS/LEAD FREE NO CLEAN SOLDERPASTE." at 50,136 h1.5
  text "PADS HAVE NOT BEEN UNDERSIZED." at 54,133 h1.5
  text "ASSEMBLER SHOULD UNDERSIZE PADS TO SUIT PROCESS." at 54,130 h1.5
  text "SUGGEST 125UM MAX STENCIL THICKNESS." at 54,127 h1.5
  text "TOP ASSEMBLY" at 220,127 h1.5
  text "2.) ENSURE THROUGH HOLE PINS OF USB CONNECTORS J23, J16 AND J2 ARE SOLDERED IN ADDITION TO SMD PADS." at 50,123 h1.5
  text "3.) TWO PIN COMPONENT ORIENTATION:" at 50,119 h1.5
  text "POLARISED MOLDED CAPACITORS - PIN 1 IS THE POLARIY MARK PIN (POSITIVE)." at 54,116 h1.5
  text "MOLDED DIODES - PIN 1 IS THE POLARITY MARK PIN (CATHODE)." at 54,113 h1.5
  text "4.) NOTE USB CONNECTORS J23, J16 AND J2 HAVE A LIP THAT SITS BELOW PCB SURFACE." at 50,109 h1.5
  text "PANELISATION SHOULD ENSURE CLEARANCE FOR THIS TO ALLOW THE CONNECTORS TO SIT FLAT." at 54,106 h1.5
  text "5.) DO NOT EMPLOY CHEMICAL BOARD WASH OR CLEANING." at 50,102 h1.5
Bottom Assembly:
  text "BOTTOM ASSEMBLY" at 380,127 h1.5
Drill Drawing:
  drawing of 170 lines, arcs and shapes, not listed
  text "DRILL DRAWING" at 220,127 h1.5
  text "SYMBOL" at 222.325,108.934 h1.8
  text "HIT COUNT" at 234.567,108.934 h1.8
  text "FINISHED HOLE SIZE" at 250.375,108.934 h1.8
  text "PLATED" at 276.842,108.934 h1.8
  text "HOLE TYPE" at 288.219,108.934 h1.8
  text "922" at 239.361,105.184 h1.5
  text "0.20mm" at 258.288,105.184 h1.5
  text "PTH" at 279.499,105.184 h1.5
  text "Round" at 292.043,105.184 h1.5
  text "6" at 240.732,101.434 h1.5
  text "0.50mm" at 258.288,101.434 h1.5
  text "PTH" at 279.499,101.434 h1.5
  text "Slot" at 293.207,101.434 h1.5
  text "6" at 240.732,97.684 h1.5
  text "0.80mm" at 258.288,97.684 h1.5
  text "PTH" at 279.499,97.684 h1.5
  text "Round" at 292.043,97.684 h1.5
  text "3" at 240.696,93.934 h1.5
  text "1.00mm" at 258.406,93.934 h1.5
  text "NPTH" at 278.792,93.934 h1.5
  text "Round" at 292.043,93.934 h1.5
  text "155" at 239.478,90.184 h1.5
  text "1.00mm" at 258.406,90.184 h1.5
  text "PTH" at 279.499,90.184 h1.5
  text "Round" at 292.043,90.184 h1.5
  text "5" at 240.696,86.434 h1.5
  text "1.10mm" at 258.524,86.434 h1.5
  text "PTH" at 279.499,86.434 h1.5
  text "Round" at 292.043,86.434 h1.5
  text "18" at 240.146,82.684 h1.5
  text "1.40mm" at 258.406,82.684 h1.5
  text "PTH" at 279.499,82.684 h1.5
  text "Round" at 292.043,82.684 h1.5
  text "4" at 240.66,78.934 h1.5
  text "1.60mm" at 258.445,78.934 h1.5
  text "PTH" at 279.499,78.934 h1.5
  text "Round" at 292.043,78.934 h1.5
  text "20" at 240.028,75.184 h1.5
  text "1.70mm" at 258.406,75.184 h1.5
  text "NPTH" at 278.792,75.184 h1.5
  text "Round" at 292.043,75.184 h1.5
  text "2" at 240.696,71.434 h1.5
  text "1.70mm" at 258.406,71.434 h1.5
  text "PTH" at 279.499,71.434 h1.5
  text "Round" at 292.043,71.434 h1.5
  text "4" at 240.66,67.684 h1.5
  text "2.40mm" at 258.288,67.684 h1.5
  text "NPTH" at 278.792,67.684 h1.5
  text "Round" at 292.043,67.684 h1.5
  text "6" at 240.732,63.934 h1.5
  text "2.65mm" at 258.327,63.934 h1.5
  text "PTH" at 279.499,63.934 h1.5
  text "Round" at 292.043,63.934 h1.5
  text "8" at 240.696,60.184 h1.5
  text "3.20mm" at 258.288,60.184 h1.5
  text "NPTH" at 278.792,60.184 h1.5
  text "Round" at 292.043,60.184 h1.5
  text "1159 Total" at 235.933,56.434 h1.5
  text "Slot definitions :" at 222.325,53.009 h1.5
  text "Routed Path Length" at 240.431,53.009 h1.5
  text "= Calculated from tool start centre position to tool end centre position." at 262.086,53.009 h1.5
  text "Hole Length" at 240.431,50.71 h1.5
  text "= Routed Path Length + Tool Size = Slot length as defined in the PCB layout" at 253.523,50.71 h1.5
Fabrication:
  drawing of 285 lines, arcs and shapes, not listed
  text "PCB FABRICATION INSTRUCTIONS" at 50,290 h1.5
  text "1.) MINIMUM DESIGN TRACK/GAP - 0.13mm/0.15mm." at 50,286 h1.5
  text "2.) SUPPLIER MAY ADD COPPER THIEVING/BALANCING." at 50,282 h1.5
  text "3.) PLATING - BOARD TO BE PLATED WITH ELECTROLESS NICKEL/IMMERSION GOLD." at 50,278 h1.5
  text "4.) SOLDERMASK - LIQUID PHOTO IMAGEABLE SOLDERMASK (GREEN)." at 50,274 h1.5
  text "PADS HAVE BEEN OVERSIZED." at 54,271 h1.5
  text "5.) SILKSCREEN - COLOUR WHITE." at 50,267 h1.5
  text "SUPPLIER SHOULD REMOVE ANY SILKSCREEN WHICH OVERHANGS PADS." at 54,264 h1.5
  text "6.) LAMINATE MATERIAL - FR4 (ROHS, LEAD FREE PROCESS COMPATIBLE - MINIMUM TWO REFLOW CYCLES)." at 50,260 h1.5
  text "7.) FINISHED BOARD THICKNESS ACROSS PADS TO BE: MIN 1.42mm, NOM 1.57mm, MAX 1.72mm" at 50,256 h1.5
  text "8.) FINISHED BOARD LAYER SPACINGS TO BE AS SHOWN BELOW. MAX TOLERANCE 10%." at 50,252 h1.5
  text "Layer" at 51.725,233.825 h1.5
  text "Name" at 60.231,233.825 h1.5
  text "Material" at 81.313,233.825 h1.5
  text "Thickness" at 97.674,233.825 h1.5
  text "Constant" at 110.322,233.825 h1.5
  text "Board Layer Stack" at 122.442,233.825 h1.5
  text "Top Overlay" at 60.231,230.825 h1.5
  text "Top Solder" at 60.231,227.825 h1.5
  text "Solder Resist" at 81.313,227.825 h1.5
  text "0.010mm" at 97.674,227.825 h1.5
  text "3.5" at 110.322,227.825 h1.5
  text "1" at 51.725,224.825 h1.5
  text "Layer 1 (Top)" at 60.231,224.825 h1.5
  text "0.036mm" at 97.674,224.825 h1.5
  text "Dielectric 1" at 60.231,221.825 h1.5
  text "FR-4" at 81.313,221.825 h1.5
  text "0.110mm" at 97.674,221.825 h1.5
  text "4.2" at 110.322,221.825 h1.5
  text "2" at 51.725,218.825 h1.5
  text "Layer 2 (GND)" at 60.231,218.825 h1.5
  text "0.036mm" at 97.674,218.825 h1.5
  text "Dielectric 2" at 60.231,215.825 h1.5
  text "FR-4" at 81.313,215.825 h1.5
  text "1.200mm" at 97.674,215.825 h1.5
  text "4.2" at 110.322,215.825 h1.5
  text "3" at 51.725,212.825 h1.5
  text "Layer 3 (PWR)" at 60.231,212.825 h1.5
  text "0.036mm" at 97.674,212.825 h1.5
  text "Dielectric 3" at 60.231,209.825 h1.5
  text "FR-4" at 81.313,209.825 h1.5
  text "0.110mm" at 97.674,209.825 h1.5
  text "4.2" at 110.322,209.825 h1.5
  text "4" at 51.725,206.825 h1.5
  text "Layer 4 (Bottom)" at 60.231,206.825 h1.5
  text "0.036mm" at 97.674,206.825 h1.5
  text "Bottom Solder" at 60.231,203.825 h1.5
  text "Solder Resist" at 81.313,203.825 h1.5
  text "0.010mm" at 97.674,203.825 h1.5
  text "3.5" at 110.322,203.825 h1.5
  text "Bottom Overlay" at 60.231,200.825 h1.5
  text "FABRICATION INSTRUCTIONS" at 220,127 h1.5
  text "PROJECT NAME" at 389.5,51 h1.5
  text "XMS0004 - XCORE.AI MC AUDIO" at 380,48 h1.5
  text "SHEET" at 369.5,44 h1.5
  text "DATE" at 393.5,44 h1.5
  text "REVISION" at 416.5,44 h1.5
  text "A3" at 371,41 h1.5
  text "17 AUG 2022" at 388.707,41 h1.5
  text "1V1" at 418.5,41 h1.5
  text "COPYRIGHT 2022 XMOS LTD" at 382,37 h1.5
  text "CONFIDENTIAL INFORMATION. ALL RIGHTS RESERVED." at 371,34.5 h1.5

## Dimensions
220,269 to 380,266 on Bottom Courtyard
376,270 to 376,140 on Bottom Courtyard

## Text inside footprints (layer, text, board x,y; h text height)
J2: Mechanical 4 "PCB EDGE" at 221.2,157.9 h0.5 r270
J16: Mechanical 4 "PCB EDGE" at 221.2,182.9 h0.5 r270
J23: Mechanical 4 "PCB EDGE" at 221.2,217.9 h0.5 r270